# KiCad board unibone.kicad_pcb (continued)
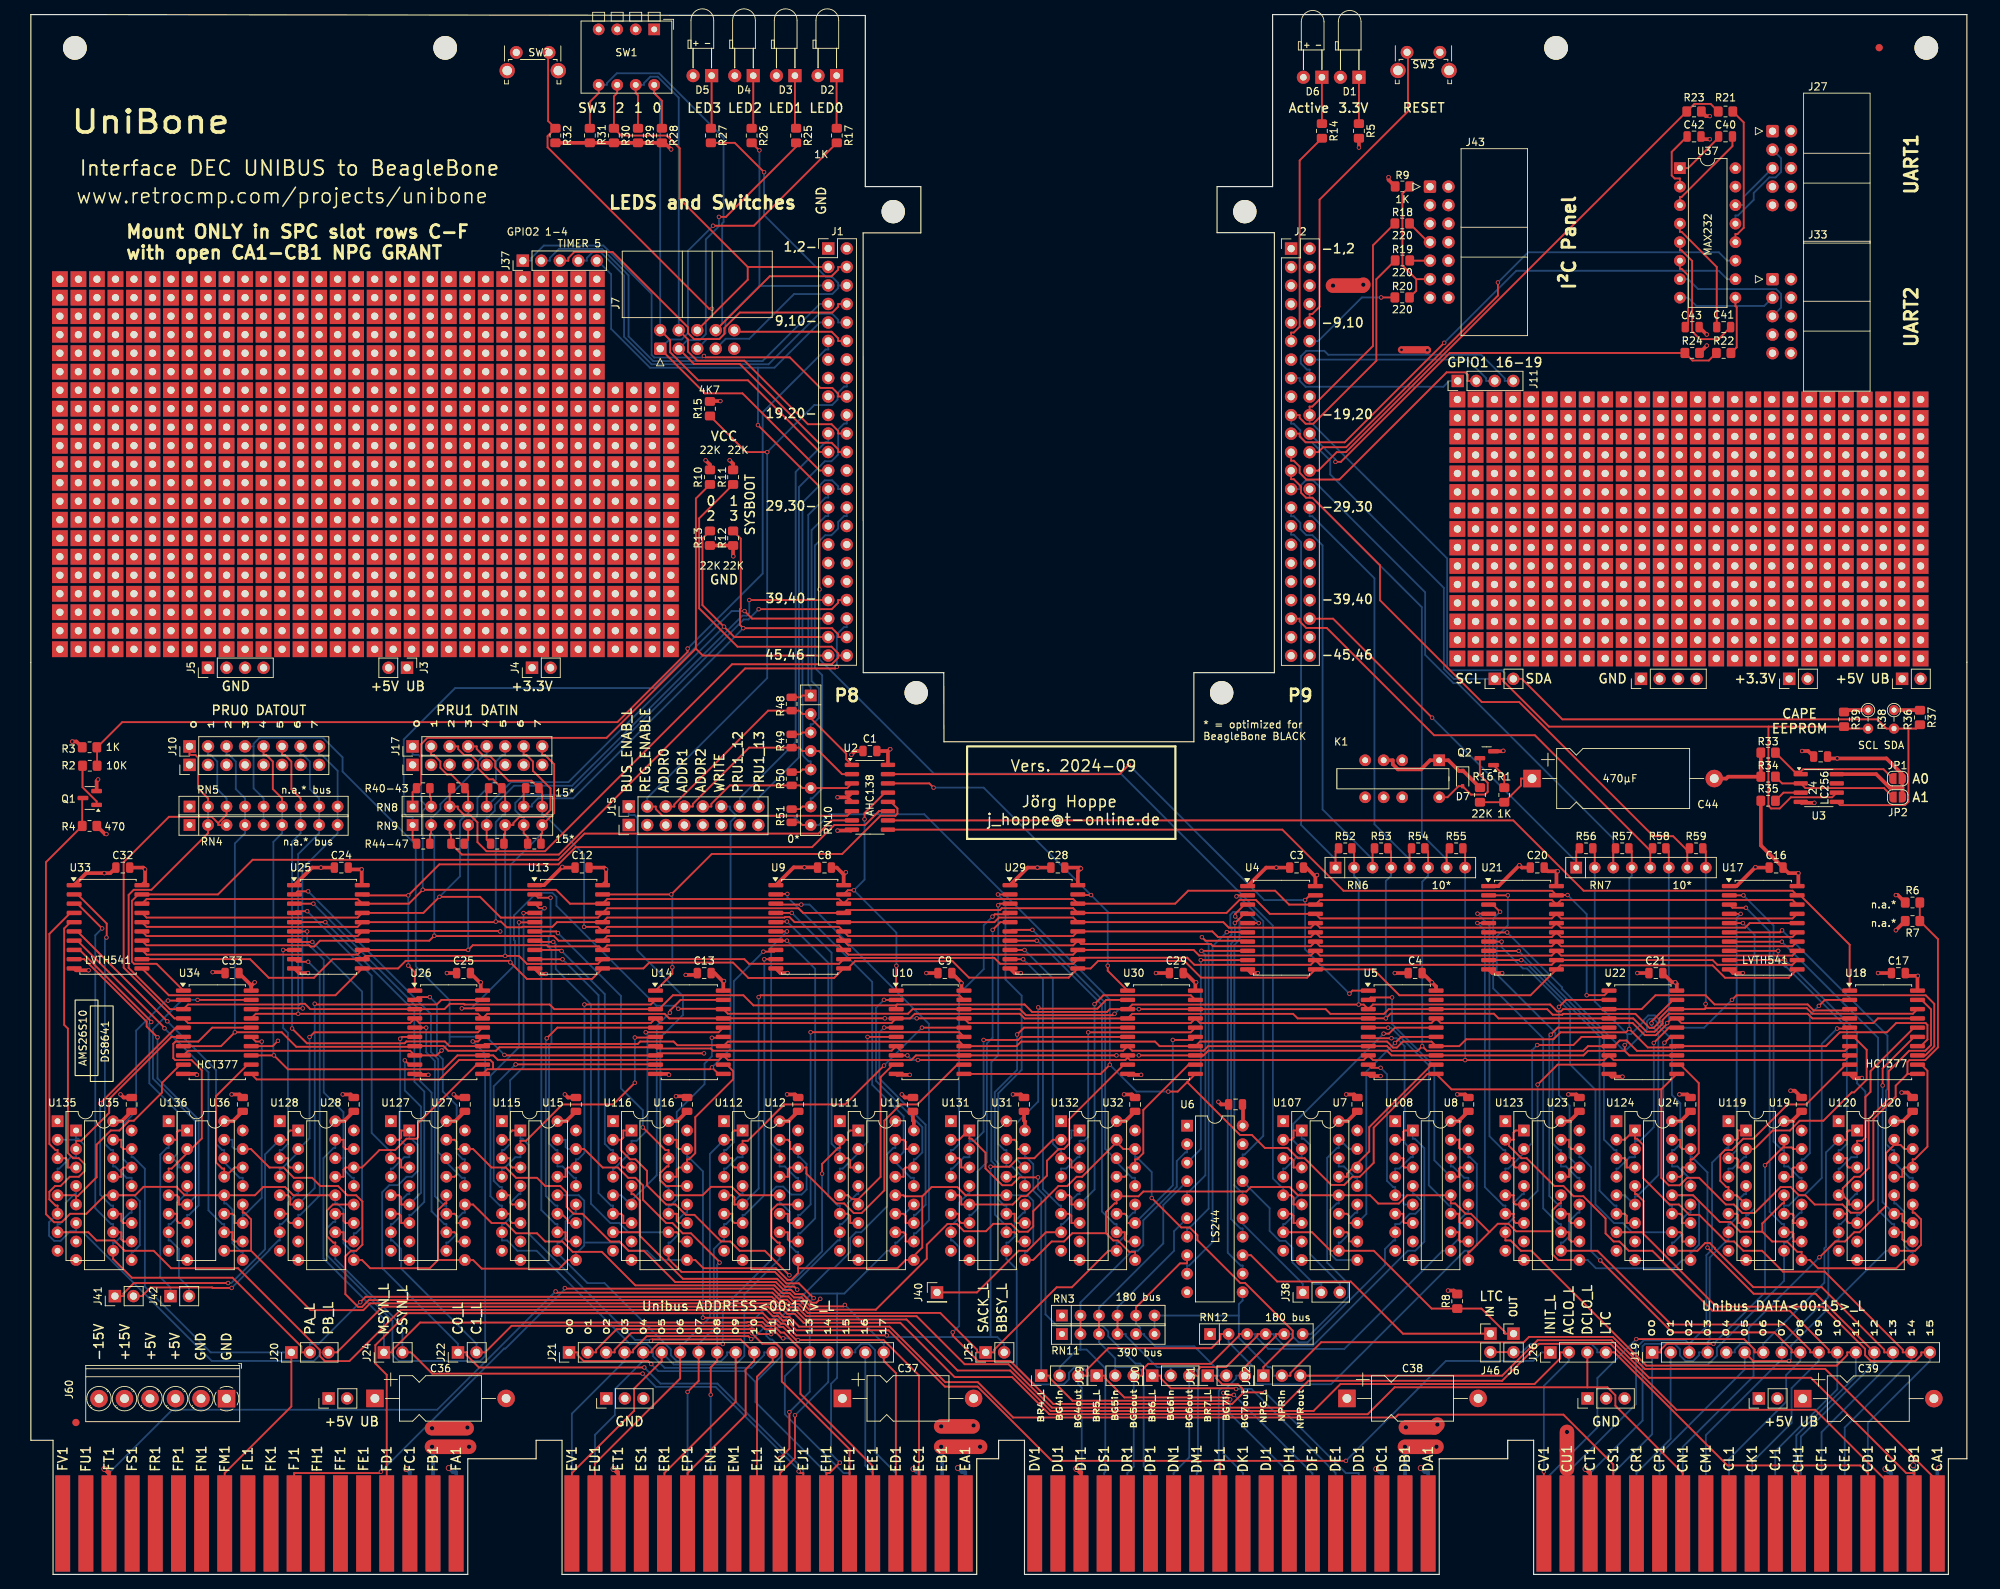
[diagram p0: board, top side]
## Placement (name value [footprint] x y rotation side) (continued)
_191105121140_262  -  [Lochraster_Square_breit]  77.65 167.64 0 top
_191105121140_263  -  [Lochraster_Square_breit]  31.93 167.64 0 top
_191105121140_264  -  [Lochraster_Square_breit]  54.79 167.64 0 top
_191105121140_265  -  [Lochraster_Square_breit]  16.69 167.64 0 top
_191105121140_266  -  [Lochraster_Square_breit]  42.09 167.64 0 top
_191105121140_267  -  [Lochraster_Square_breit]  52.25 167.64 0 top
_191105121140_268  -  [Lochraster_Square_breit]  21.77 167.64 0 top
_191105121140_269  -  [Lochraster_Square_breit]  72.57 167.64 0 top
_191105121140_270  -  [Lochraster_Square_breit]  47.17 167.64 0 top
_191105121140_272  -  [Lochraster_Square_breit]  67.49 167.64 0 top
_191105121140_273  -  [Lochraster_Square_breit]  44.63 167.64 0 top
_191105121140_275  -  [Lochraster_Square_breit]  11.61 167.64 0 top
_191105121140_276  -  [Lochraster_Square_breit]  26.85 167.64 0 top
_191105121140_277  -  [Lochraster_Square_breit]  3.99 167.64 0 top
_191105121140_279  -  [Lochraster_Square_breit]  19.23 167.64 0 top
_191105121140_281  -  [Lochraster_Square_breit]  64.95 167.64 0 top
_191105121140_282  -  [Lochraster_Square_breit]  39.55 167.64 0 top
_191105121140_283  -  [Lochraster_Square_breit]  59.87 167.64 0 top
_191105121140_284  -  [Lochraster_Square_breit]  9.07 167.64 0 top
_191105121140_285  -  [Lochraster_Square_breit]  14.15 167.64 0 top
_191105121140_286  -  [Lochraster_Square_breit]  70.03 167.64 0 top
_191105121140_287  -  [Lochraster_Square_breit]  57.33 167.64 0 top
_191105121140_288  -  [Lochraster_Square_breit]  6.53 167.64 0 top
_191105121140_289  -  [Lochraster_Square_breit]  34.47 167.64 0 top
_191105121140_291  -  [Lochraster_Square_breit]  49.71 167.64 0 top
_191105121140_292  -  [Lochraster_Square_breit]  29.39 167.64 0 top
_191105121140_293  -  [Lochraster_Square_breit]  62.41 167.64 0 top
_191105121140_294  -  [Lochraster_Square_breit]  75.11 167.64 0 top
_191105121140_295  -  [Lochraster_Square_breit]  37.01 165.1 0 top
_191105121140_296  -  [Lochraster_Square_breit]  14.15 165.1 0 top
_191105121140_297  -  [Lochraster_Square_breit]  24.31 165.1 0 top
_191105121140_298  -  [Lochraster_Square_breit]  64.95 165.1 0 top
_191105121140_299  -  [Lochraster_Square_breit]  26.85 165.1 0 top
_191105121140_300  -  [Lochraster_Square_breit]  54.79 165.1 0 top
_191105121140_301  -  [Lochraster_Square_breit]  9.07 165.1 0 top
_191105121140_302  -  [Lochraster_Square_breit]  52.25 165.1 0 top
_191105121140_304  -  [Lochraster_Square_breit]  39.55 165.1 0 top
_191105121140_305  -  [Lochraster_Square_breit]  59.87 165.1 0 top
_191105121140_306  -  [Lochraster_Square_breit]  16.69 165.1 0 top
_191105121140_307  -  [Lochraster_Square_breit]  44.63 165.1 0 top
_191105121140_308  -  [Lochraster_Square_breit]  47.17 165.1 0 top
_191105121140_309  -  [Lochraster_Square_breit]  42.09 165.1 0 top
_191105121140_310  -  [Lochraster_Square_breit]  11.61 165.1 0 top
_191105121140_311  -  [Lochraster_Square_breit]  21.77 165.1 0 top
_191105121140_312  -  [Lochraster_Square_breit]  19.23 165.1 0 top
_191105121140_314  -  [Lochraster_Square_breit]  67.49 165.1 0 top
_191105121140_316  -  [Lochraster_Square_breit]  72.57 165.1 0 top
_191105121140_317  -  [Lochraster_Square_breit]  31.93 165.1 0 top
_191105121140_318  -  [Lochraster_Square_breit]  77.65 165.1 0 top
_191105121140_319  -  [Lochraster_Square_breit]  3.99 165.1 0 top
_191105121140_321  -  [Lochraster_Square_breit]  6.53 165.1 0 top
_191105121140_322  -  [Lochraster_Square_breit]  34.47 165.1 0 top
_191105121140_324  -  [Lochraster_Square_breit]  49.71 165.1 0 top
_191105121140_325  -  [Lochraster_Square_breit]  29.39 165.1 0 top
_191105121140_326  -  [Lochraster_Square_breit]  62.41 165.1 0 top
_191105121140_327  -  [Lochraster_Square_breit]  75.11 165.1 0 top
_191105121140_328  -  [Lochraster_Square_breit]  70.03 165.1 0 top
_191105121140_329  -  [Lochraster_Square_breit]  57.33 165.1 0 top
_191105121140_330  -  [Lochraster_Square_breit]  24.31 162.56 0 top
_191105121140_331  -  [Lochraster_Square_breit]  37.01 162.56 0 top
_191105121140_332  -  [Lochraster_Square_breit]  26.85 162.56 0 top
_191105121140_333  -  [Lochraster_Square_breit]  54.79 162.56 0 top
_191105121140_334  -  [Lochraster_Square_breit]  64.95 162.56 0 top
_191105121140_335  -  [Lochraster_Square_breit]  9.07 162.56 0 top
_191105121140_336  -  [Lochraster_Square_breit]  14.15 162.56 0 top
_191105121140_337  -  [Lochraster_Square_breit]  52.25 162.56 0 top
_191105121140_339  -  [Lochraster_Square_breit]  29.39 162.56 0 top
_191105121140_340  -  [Lochraster_Square_breit]  39.55 162.56 0 top
_191105121140_341  -  [Lochraster_Square_breit]  59.87 162.56 0 top
_191105121140_342  -  [Lochraster_Square_breit]  16.69 162.56 0 top
_191105121140_343  -  [Lochraster_Square_breit]  44.63 162.56 0 top
_191105121140_344  -  [Lochraster_Square_breit]  47.17 162.56 0 top
_191105121140_345  -  [Lochraster_Square_breit]  70.03 162.56 0 top
_191105121140_346  -  [Lochraster_Square_breit]  42.09 162.56 0 top
_191105121140_347  -  [Lochraster_Square_breit]  77.65 162.56 0 top
_191105121140_348  -  [Lochraster_Square_breit]  11.61 162.56 0 top
_191105121140_349  -  [Lochraster_Square_breit]  19.23 162.56 0 top
_191105121140_350  -  [Lochraster_Square_breit]  3.99 162.56 0 top
_191105121140_351  -  [Lochraster_Square_breit]  62.41 162.56 0 top
_191105121140_352  -  [Lochraster_Square_breit]  21.77 162.56 0 top
_191105121140_353  -  [Lochraster_Square_breit]  72.57 162.56 0 top
_191105121140_354  -  [Lochraster_Square_breit]  67.49 162.56 0 top
_191105121140_356  -  [Lochraster_Square_breit]  57.33 162.56 0 top
_191105121140_358  -  [Lochraster_Square_breit]  6.53 162.56 0 top
_191105121140_359  -  [Lochraster_Square_breit]  34.47 162.56 0 top
_191105121140_361  -  [Lochraster_Square_breit]  31.93 162.56 0 top
_191105121140_362  -  [Lochraster_Square_breit]  75.11 162.56 0 top
_191105121140_363  -  [Lochraster_Square_breit]  49.71 162.56 0 top
_191105121140_365  -  [Lochraster_Square_breit]  39.55 160.02 0 top
_191105121140_366  -  [Lochraster_Square_breit]  16.69 160.02 0 top
_191105121140_367  -  [Lochraster_Square_breit]  24.31 160.02 0 top
_191105121140_369  -  [Lochraster_Square_breit]  37.01 160.02 0 top
_191105121140_370  -  [Lochraster_Square_breit]  59.87 160.02 0 top
_191105121140_371  -  [Lochraster_Square_breit]  14.15 160.02 0 top
_191105121140_372  -  [Lochraster_Square_breit]  52.25 160.02 0 top
_191105121140_373  -  [Lochraster_Square_breit]  42.09 160.02 0 top
_191105121140_374  -  [Lochraster_Square_breit]  11.61 160.02 0 top
_191105121140_375  -  [Lochraster_Square_breit]  26.85 160.02 0 top
_191105121140_376  -  [Lochraster_Square_breit]  70.03 160.02 0 top
_191105121140_377  -  [Lochraster_Square_breit]  47.17 160.02 0 top
_191105121140_378  -  [Lochraster_Square_breit]  77.65 160.02 0 top
_191105121140_379  -  [Lochraster_Square_breit]  29.39 160.02 0 top
_191105121140_380  -  [Lochraster_Square_breit]  44.63 160.02 0 top
_191105121140_381  -  [Lochraster_Square_breit]  64.95 160.02 0 top
_191105121140_382  -  [Lochraster_Square_breit]  54.79 160.02 0 top
_191105121140_383  -  [Lochraster_Square_breit]  19.23 160.02 0 top
_191105121140_384  -  [Lochraster_Square_breit]  9.07 160.02 0 top
_191105121140_385  -  [Lochraster_Square_breit]  3.99 160.02 0 top
_191105121140_386  -  [Lochraster_Square_breit]  62.41 160.02 0 top
_191105121140_387  -  [Lochraster_Square_breit]  21.77 160.02 0 top
_191105121140_388  -  [Lochraster_Square_breit]  57.33 160.02 0 top
_191105121140_389  -  [Lochraster_Square_breit]  6.53 160.02 0 top
_191105121140_390  -  [Lochraster_Square_breit]  34.47 160.02 0 top
_191105121140_391  -  [Lochraster_Square_breit]  85.27 160.02 0 top
_191105121140_392  -  [Lochraster_Square_breit]  72.57 160.02 0 top
_191105121140_393  -  [Lochraster_Square_breit]  31.93 160.02 0 top
_191105121140_394  -  [Lochraster_Square_breit]  75.11 160.02 0 top
_191105121140_395  -  [Lochraster_Square_breit]  82.73 160.02 0 top
_191105121140_396  -  [Lochraster_Square_breit]  49.71 160.02 0 top
_191105121140_397  -  [Lochraster_Square_breit]  67.49 160.02 0 top
_191105121140_398  -  [Lochraster_Square_breit]  80.19 160.02 0 top
_191105121140_399  -  [Lochraster_Square_breit]  87.81 160.02 0 top
_191105121140_400  -  [Lochraster_Square_breit]  21.77 157.48 0 top
_191105121140_401  -  [Lochraster_Square_breit]  39.55 157.48 0 top
_191105121140_402  -  [Lochraster_Square_breit]  24.31 157.48 0 top
_191105121140_403  -  [Lochraster_Square_breit]  16.69 157.48 0 top
_191105121140_404  -  [Lochraster_Square_breit]  34.47 157.48 0 top
_191105121140_405  -  [Lochraster_Square_breit]  19.23 157.48 0 top
_191105121140_407  -  [Lochraster_Square_breit]  57.33 157.48 0 top
_191105121140_408  -  [Lochraster_Square_breit]  37.01 157.48 0 top
_191105121140_409  -  [Lochraster_Square_breit]  72.57 157.48 0 top
_191105121140_410  -  [Lochraster_Square_breit]  59.87 157.48 0 top
_191105121140_411  -  [Lochraster_Square_breit]  31.93 157.48 0 top
_191105121140_412  -  [Lochraster_Square_breit]  14.15 157.48 0 top
_191105121140_413  -  [Lochraster_Square_breit]  85.27 157.48 0 top
_191105121140_414  -  [Lochraster_Square_breit]  75.11 157.48 0 top
_191105121140_415  -  [Lochraster_Square_breit]  52.25 157.48 0 top
_191105121140_416  -  [Lochraster_Square_breit]  82.73 157.48 0 top
_191105121140_417  -  [Lochraster_Square_breit]  42.09 157.48 0 top
_191105121140_418  -  [Lochraster_Square_breit]  11.61 157.48 0 top
_191105121140_419  -  [Lochraster_Square_breit]  26.85 157.48 0 top
_191105121140_420  -  [Lochraster_Square_breit]  9.07 157.48 0 top
_191105121140_421  -  [Lochraster_Square_breit]  80.19 157.48 0 top
_191105121140_422  -  [Lochraster_Square_breit]  70.03 157.48 0 top
_191105121140_423  -  [Lochraster_Square_breit]  47.17 157.48 0 top
_191105121140_424  -  [Lochraster_Square_breit]  77.65 157.48 0 top
_191105121140_425  -  [Lochraster_Square_breit]  67.49 157.48 0 top
_191105121140_426  -  [Lochraster_Square_breit]  29.39 157.48 0 top
_191105121140_427  -  [Lochraster_Square_breit]  44.63 157.48 0 top
_191105121140_428  -  [Lochraster_Square_breit]  6.53 157.48 0 top
_191105121140_429  -  [Lochraster_Square_breit]  62.41 157.48 0 top
_191105121140_430  -  [Lochraster_Square_breit]  49.71 157.48 0 top
_191105121140_431  -  [Lochraster_Square_breit]  3.99 157.48 0 top
_191105121140_432  -  [Lochraster_Square_breit]  64.95 157.48 0 top
_191105121140_433  -  [Lochraster_Square_breit]  87.81 157.48 0 top
_191105121140_434  -  [Lochraster_Square_breit]  54.79 157.48 0 top
_191105121140_435  -  [Lochraster_Square_breit]  19.23 154.94 0 top
_191105121140_437  -  [Lochraster_Square_breit]  57.33 154.94 0 top
_191105121140_438  -  [Lochraster_Square_breit]  39.55 154.94 0 top
_191105121140_439  -  [Lochraster_Square_breit]  85.27 154.94 0 top
_191105121140_440  -  [Lochraster_Square_breit]  24.31 154.94 0 top
_191105121140_441  -  [Lochraster_Square_breit]  72.57 154.94 0 top
_191105121140_442  -  [Lochraster_Square_breit]  59.87 154.94 0 top
_191105121140_443  -  [Lochraster_Square_breit]  31.93 154.94 0 top
_191105121140_444  -  [Lochraster_Square_breit]  34.47 154.94 0 top
_191105121140_445  -  [Lochraster_Square_breit]  37.01 154.94 0 top
_191105121140_446  -  [Lochraster_Square_breit]  21.77 154.94 0 top
_191105121140_447  -  [Lochraster_Square_breit]  14.15 154.94 0 top
_191105121140_448  -  [Lochraster_Square_breit]  16.69 154.94 0 top
_191105121140_449  -  [Lochraster_Square_breit]  52.25 154.94 0 top
_191105121140_450  -  [Lochraster_Square_breit]  82.73 154.94 0 top
_191105121140_451  -  [Lochraster_Square_breit]  75.11 154.94 0 top
_191105121140_452  -  [Lochraster_Square_breit]  42.09 154.94 0 top
_191105121140_453  -  [Lochraster_Square_breit]  26.85 154.94 0 top
_191105121140_454  -  [Lochraster_Square_breit]  80.19 154.94 0 top
_191105121140_455  -  [Lochraster_Square_breit]  70.03 154.94 0 top
_191105121140_456  -  [Lochraster_Square_breit]  47.17 154.94 0 top
_191105121140_457  -  [Lochraster_Square_breit]  67.49 154.94 0 top
_191105121140_458  -  [Lochraster_Square_breit]  29.39 154.94 0 top
_191105121140_459  -  [Lochraster_Square_breit]  11.61 154.94 0 top
_191105121140_460  -  [Lochraster_Square_breit]  77.65 154.94 0 top
_191105121140_461  -  [Lochraster_Square_breit]  44.63 154.94 0 top
_191105121140_462  -  [Lochraster_Square_breit]  6.53 154.94 0 top
_191105121140_463  -  [Lochraster_Square_breit]  62.41 154.94 0 top
_191105121140_464  -  [Lochraster_Square_breit]  9.07 154.94 0 top
_191105121140_465  -  [Lochraster_Square_breit]  49.71 154.94 0 top
_191105121140_466  -  [Lochraster_Square_breit]  54.79 154.94 0 top
_191105121140_467  -  [Lochraster_Square_breit]  3.99 154.94 0 top
_191105121140_468  -  [Lochraster_Square_breit]  64.95 154.94 0 top
_191105121140_469  -  [Lochraster_Square_breit]  87.81 154.94 0 top
_191105121140_470  -  [Lochraster_Square_breit]  19.23 152.4 0 top
_191105121140_471  -  [Lochraster_Square_breit]  6.53 152.4 0 top
_191105121140_472  -  [Lochraster_Square_breit]  11.61 152.4 0 top
_191105121140_474  -  [Lochraster_Square_breit]  70.03 152.4 0 top
_191105121140_475  -  [Lochraster_Square_breit]  62.41 152.4 0 top
_191105121140_476  -  [Lochraster_Square_breit]  57.33 152.4 0 top
_191105121140_477  -  [Lochraster_Square_breit]  9.07 152.4 0 top
_191105121140_478  -  [Lochraster_Square_breit]  39.55 152.4 0 top
_191105121140_479  -  [Lochraster_Square_breit]  49.71 152.4 0 top
_191105121140_480  -  [Lochraster_Square_breit]  16.69 152.4 0 top
_191105121140_481  -  [Lochraster_Square_breit]  77.65 152.4 0 top
_191105121140_482  -  [Lochraster_Square_breit]  52.25 152.4 0 top
_191105121140_483  -  [Lochraster_Square_breit]  82.73 152.4 0 top
_191105121140_484  -  [Lochraster_Square_breit]  47.17 152.4 0 top
_191105121140_485  -  [Lochraster_Square_breit]  85.27 152.4 0 top
_191105121140_486  -  [Lochraster_Square_breit]  54.79 152.4 0 top
_191105121140_487  -  [Lochraster_Square_breit]  24.31 152.4 0 top
_191105121140_488  -  [Lochraster_Square_breit]  3.99 152.4 0 top
_191105121140_489  -  [Lochraster_Square_breit]  67.49 152.4 0 top
_191105121140_490  -  [Lochraster_Square_breit]  72.57 152.4 0 top
_191105121140_491  -  [Lochraster_Square_breit]  59.87 152.4 0 top
_191105121140_492  -  [Lochraster_Square_breit]  80.19 152.4 0 top
_191105121140_493  -  [Lochraster_Square_breit]  87.81 152.4 0 top
_191105121140_494  -  [Lochraster_Square_breit]  21.77 152.4 0 top
_191105121140_495  -  [Lochraster_Square_breit]  75.11 152.4 0 top
_191105121140_496  -  [Lochraster_Square_breit]  14.15 152.4 0 top
_191105121140_497  -  [Lochraster_Square_breit]  42.09 152.4 0 top
_191105121140_498  -  [Lochraster_Square_breit]  64.95 152.4 0 top
_191105121140_499  -  [Lochraster_Square_breit]  29.39 152.4 0 top
_191105121140_500  -  [Lochraster_Square_breit]  31.93 152.4 0 top
_191105121140_501  -  [Lochraster_Square_breit]  37.01 152.4 0 top
_191105121140_502  -  [Lochraster_Square_breit]  26.85 152.4 0 top
_191105121140_503  -  [Lochraster_Square_breit]  34.47 152.4 0 top
_191105121140_504  -  [Lochraster_Square_breit]  44.63 152.4 0 top
_191105121140_505  -  [Lochraster_Square_breit]  64.95 149.86 0 top
_191105121140_506  -  [Lochraster_Square_breit]  44.63 149.86 0 top
_191105121140_507  -  [Lochraster_Square_breit]  37.01 149.86 0 top
_191105121140_508  -  [Lochraster_Square_breit]  26.85 149.86 0 top
_191105121140_509  -  [Lochraster_Square_breit]  34.47 149.86 0 top
_191105121140_510  -  [Lochraster_Square_breit]  29.39 149.86 0 top
_191105121140_511  -  [Lochraster_Square_breit]  31.93 149.86 0 top
_191105121140_512  -  [Lochraster_Square_breit]  42.09 149.86 0 top
_191105121140_513  -  [Lochraster_Square_breit]  52.25 149.86 0 top
_191105121140_514  -  [Lochraster_Square_breit]  85.27 149.86 0 top
_191105121140_515  -  [Lochraster_Square_breit]  82.73 149.86 0 top
_191105121140_516  -  [Lochraster_Square_breit]  72.57 149.86 0 top
_191105121140_517  -  [Lochraster_Square_breit]  80.19 149.86 0 top
_191105121140_518  -  [Lochraster_Square_breit]  87.81 149.86 0 top
_191105121140_519  -  [Lochraster_Square_breit]  19.23 149.86 0 top
_191105121140_520  -  [Lochraster_Square_breit]  9.07 149.86 0 top
_191105121140_521  -  [Lochraster_Square_breit]  21.77 149.86 0 top
_191105121140_522  -  [Lochraster_Square_breit]  6.53 149.86 0 top
_191105121140_523  -  [Lochraster_Square_breit]  3.99 149.86 0 top
_191105121140_525  -  [Lochraster_Square_breit]  39.55 149.86 0 top
_191105121140_526  -  [Lochraster_Square_breit]  47.17 149.86 0 top
_191105121140_527  -  [Lochraster_Square_breit]  49.71 149.86 0 top
_191105121140_528  -  [Lochraster_Square_breit]  11.61 149.86 0 top
_191105121140_529  -  [Lochraster_Square_breit]  14.15 149.86 0 top
_191105121140_530  -  [Lochraster_Square_breit]  24.31 149.86 0 top
_191105121140_531  -  [Lochraster_Square_breit]  16.69 149.86 0 top
_191105121140_532  -  [Lochraster_Square_breit]  77.65 149.86 0 top
_191105121140_533  -  [Lochraster_Square_breit]  75.11 149.86 0 top
_191105121140_534  -  [Lochraster_Square_breit]  70.03 149.86 0 top
_191105121140_535  -  [Lochraster_Square_breit]  62.41 149.86 0 top
_191105121140_536  -  [Lochraster_Square_breit]  59.87 149.86 0 top
_191105121140_537  -  [Lochraster_Square_breit]  67.49 149.86 0 top
_191105121140_538  -  [Lochraster_Square_breit]  57.33 149.86 0 top
_191105121140_539  -  [Lochraster_Square_breit]  54.79 149.86 0 top
_191105121140_540  -  [Lochraster_Square_breit]  3.99 137.16 0 top
_191105121140_541  -  [Lochraster_Square_breit]  3.99 142.24 0 top
_191105121140_542  -  [Lochraster_Square_breit]  3.99 129.54 0 top
_191105121140_543  -  [Lochraster_Square_breit]  3.99 144.78 0 top
_191105121140_544  -  [Lochraster_Square_breit]  3.99 139.7 0 top
_191105121140_545  -  [Lochraster_Square_breit]  3.99 147.32 0 top
_191105121140_546  -  [Lochraster_Square_breit]  3.99 132.08 0 top
_191105121140_547  -  [Lochraster_Square_breit]  3.99 134.62 0 top
_191105121140_548  -  [Lochraster_Square_breit]  3.99 127 0 top
_191105121140_549  -  [Lochraster_Square_breit]  6.53 127 0 top
_191105121140_550  -  [Lochraster_Square_breit]  6.53 137.16 0 top
_191105121140_551  -  [Lochraster_Square_breit]  9.07 139.7 0 top
_191105121140_552  -  [Lochraster_Square_breit]  9.07 129.54 0 top
_191105121140_553  -  [Lochraster_Square_breit]  9.07 137.16 0 top
_191105121140_554  -  [Lochraster_Square_breit]  9.07 127 0 top
_191105121140_555  -  [Lochraster_Square_breit]  9.07 144.78 0 top
_191105121140_556  -  [Lochraster_Square_breit]  9.07 142.24 0 top
_191105121140_557  -  [Lochraster_Square_breit]  9.07 134.62 0 top
_191105121140_558  -  [Lochraster_Square_breit]  9.07 132.08 0 top
_191105121140_559  -  [Lochraster_Square_breit]  6.53 147.32 0 top
_191105121140_560  -  [Lochraster_Square_breit]  6.53 132.08 0 top
_191105121140_561  -  [Lochraster_Square_breit]  6.53 139.7 0 top
_191105121140_562  -  [Lochraster_Square_breit]  6.53 142.24 0 top
_191105121140_563  -  [Lochraster_Square_breit]  6.53 129.54 0 top
_191105121140_564  -  [Lochraster_Square_breit]  6.53 134.62 0 top
_191105121140_565  -  [Lochraster_Square_breit]  9.07 147.32 0 top
_191105121140_566  -  [Lochraster_Square_breit]  6.53 144.78 0 top
_191105121140_567  -  [Lochraster_Square_breit]  19.23 132.08 0 top
_191105121140_568  -  [Lochraster_Square_breit]  11.61 127 0 top
_191105121140_569  -  [Lochraster_Square_breit]  21.77 139.7 0 top
_191105121140_570  -  [Lochraster_Square_breit]  19.23 127 0 top
_191105121140_571  -  [Lochraster_Square_breit]  21.77 129.54 0 top
_191105121140_572  -  [Lochraster_Square_breit]  21.77 142.24 0 top
_191105121140_573  -  [Lochraster_Square_breit]  19.23 142.24 0 top
_191105121140_574  -  [Lochraster_Square_breit]  19.23 139.7 0 top
_191105121140_575  -  [Lochraster_Square_breit]  21.77 132.08 0 top
_191105121140_576  -  [Lochraster_Square_breit]  21.77 137.16 0 top
_191105121140_577  -  [Lochraster_Square_breit]  19.23 129.54 0 top
_191105121140_578  -  [Lochraster_Square_breit]  21.77 127 0 top
_191105121140_579  -  [Lochraster_Square_breit]  21.77 147.32 0 top
_191105121140_580  -  [Lochraster_Square_breit]  11.61 137.16 0 top
_191105121140_581  -  [Lochraster_Square_breit]  19.23 147.32 0 top
_191105121140_582  -  [Lochraster_Square_breit]  16.69 134.62 0 top
_191105121140_583  -  [Lochraster_Square_breit]  14.15 139.7 0 top
_191105121140_584  -  [Lochraster_Square_breit]  16.69 129.54 0 top
_191105121140_585  -  [Lochraster_Square_breit]  14.15 137.16 0 top
_191105121140_586  -  [Lochraster_Square_breit]  14.15 127 0 top
_191105121140_587  -  [Lochraster_Square_breit]  24.31 129.54 0 top
_191105121140_588  -  [Lochraster_Square_breit]  24.31 134.62 0 top
_191105121140_589  -  [Lochraster_Square_breit]  24.31 137.16 0 top
_191105121140_590  -  [Lochraster_Square_breit]  24.31 142.24 0 top
_191105121140_591  -  [Lochraster_Square_breit]  24.31 147.32 0 top
_191105121140_592  -  [Lochraster_Square_breit]  24.31 127 0 top
_191105121140_593  -  [Lochraster_Square_breit]  24.31 144.78 0 top
_191105121140_594  -  [Lochraster_Square_breit]  14.15 144.78 0 top
_191105121140_595  -  [Lochraster_Square_breit]  16.69 137.16 0 top
_191105121140_596  -  [Lochraster_Square_breit]  14.15 142.24 0 top
_191105121140_597  -  [Lochraster_Square_breit]  14.15 129.54 0 top
_191105121140_598  -  [Lochraster_Square_breit]  16.69 127 0 top
_191105121140_599  -  [Lochraster_Square_breit]  16.69 142.24 0 top
_191105121140_600  -  [Lochraster_Square_breit]  16.69 132.08 0 top
_191105121140_601  -  [Lochraster_Square_breit]  14.15 132.08 0 top
_191105121140_602  -  [Lochraster_Square_breit]  24.31 139.7 0 top
_191105121140_603  -  [Lochraster_Square_breit]  14.15 134.62 0 top
_191105121140_604  -  [Lochraster_Square_breit]  24.31 132.08 0 top
_191105121140_605  -  [Lochraster_Square_breit]  16.69 147.32 0 top
_191105121140_606  -  [Lochraster_Square_breit]  11.61 147.32 0 top
_191105121140_607  -  [Lochraster_Square_breit]  14.15 147.32 0 top
_191105121140_608  -  [Lochraster_Square_breit]  11.61 142.24 0 top
_191105121140_609  -  [Lochraster_Square_breit]  11.61 134.62 0 top
_191105121140_610  -  [Lochraster_Square_breit]  11.61 144.78 0 top
_191105121140_611  -  [Lochraster_Square_breit]  19.23 137.16 0 top
_191105121140_612  -  [Lochraster_Square_breit]  21.77 134.62 0 top
_191105121140_613  -  [Lochraster_Square_breit]  11.61 132.08 0 top
_191105121140_614  -  [Lochraster_Square_breit]  16.69 144.78 0 top
_191105121140_615  -  [Lochraster_Square_breit]  19.23 144.78 0 top
_191105121140_616  -  [Lochraster_Square_breit]  19.23 134.62 0 top
_191105121140_617  -  [Lochraster_Square_breit]  21.77 144.78 0 top
_191105121140_618  -  [Lochraster_Square_breit]  11.61 139.7 0 top
_191105121140_619  -  [Lochraster_Square_breit]  16.69 139.7 0 top
_191105121140_620  -  [Lochraster_Square_breit]  11.61 129.54 0 top
_191105121140_621  -  [Lochraster_Square_breit]  49.71 134.62 0 top
_191105121140_622  -  [Lochraster_Square_breit]  49.71 142.24 0 top
_191105121140_623  -  [Lochraster_Square_breit]  49.71 144.78 0 top
_191105121140_624  -  [Lochraster_Square_breit]  49.71 132.08 0 top
_191105121140_625  -  [Lochraster_Square_breit]  49.71 129.54 0 top
_191105121140_626  -  [Lochraster_Square_breit]  49.71 139.7 0 top
_191105121140_627  -  [Lochraster_Square_breit]  49.71 137.16 0 top
_191105121140_628  -  [Lochraster_Square_breit]  49.71 127 0 top
_191105121140_629  -  [Lochraster_Square_breit]  49.71 147.32 0 top
_191105121140_630  -  [Lochraster_Square_breit]  47.17 129.54 0 top
_191105121140_631  -  [Lochraster_Square_breit]  47.17 144.78 0 top
_191105121140_632  -  [Lochraster_Square_breit]  47.17 134.62 0 top
_191105121140_633  -  [Lochraster_Square_breit]  47.17 139.7 0 top
_191105121140_634  -  [Lochraster_Square_breit]  47.17 142.24 0 top
_191105121140_635  -  [Lochraster_Square_breit]  47.17 132.08 0 top
_191105121140_636  -  [Lochraster_Square_breit]  47.17 147.32 0 top
_191105121140_637  -  [Lochraster_Square_breit]  47.17 137.16 0 top
_191105121140_638  -  [Lochraster_Square_breit]  47.17 127 0 top
_191105121140_639  -  [Lochraster_Square_breit]  31.93 129.54 0 top
_191105121140_640  -  [Lochraster_Square_breit]  29.39 139.7 0 top
_191105121140_641  -  [Lochraster_Square_breit]  31.93 134.62 0 top
_191105121140_642  -  [Lochraster_Square_breit]  29.39 137.16 0 top
_191105121140_643  -  [Lochraster_Square_breit]  29.39 127 0 top
_191105121140_644  -  [Lochraster_Square_breit]  39.55 129.54 0 top
_191105121140_645  -  [Lochraster_Square_breit]  39.55 134.62 0 top
_191105121140_646  -  [Lochraster_Square_breit]  39.55 137.16 0 top
_191105121140_647  -  [Lochraster_Square_breit]  39.55 142.24 0 top
_191105121140_648  -  [Lochraster_Square_breit]  39.55 147.32 0 top
_191105121140_649  -  [Lochraster_Square_breit]  39.55 127 0 top
_191105121140_650  -  [Lochraster_Square_breit]  39.55 132.08 0 top
_191105121140_651  -  [Lochraster_Square_breit]  39.55 144.78 0 top
_191105121140_652  -  [Lochraster_Square_breit]  42.09 129.54 0 top
_191105121140_653  -  [Lochraster_Square_breit]  42.09 139.7 0 top
_191105121140_654  -  [Lochraster_Square_breit]  29.39 144.78 0 top
_191105121140_655  -  [Lochraster_Square_breit]  31.93 137.16 0 top
_191105121140_656  -  [Lochraster_Square_breit]  29.39 142.24 0 top
_191105121140_657  -  [Lochraster_Square_breit]  42.09 137.16 0 top
_191105121140_658  -  [Lochraster_Square_breit]  29.39 134.62 0 top
_191105121140_659  -  [Lochraster_Square_breit]  31.93 147.32 0 top
_191105121140_660  -  [Lochraster_Square_breit]  42.09 142.24 0 top
_191105121140_661  -  [Lochraster_Square_breit]  42.09 147.32 0 top
_191105121140_662  -  [Lochraster_Square_breit]  42.09 132.08 0 top
_191105121140_663  -  [Lochraster_Square_breit]  31.93 132.08 0 top
_191105121140_664  -  [Lochraster_Square_breit]  29.39 132.08 0 top
_191105121140_665  -  [Lochraster_Square_breit]  39.55 139.7 0 top
_191105121140_666  -  [Lochraster_Square_breit]  42.09 144.78 0 top
_191105121140_667  -  [Lochraster_Square_breit]  29.39 129.54 0 top
_191105121140_668  -  [Lochraster_Square_breit]  42.09 127 0 top
_191105121140_669  -  [Lochraster_Square_breit]  42.09 134.62 0 top
_191105121140_670  -  [Lochraster_Square_breit]  31.93 127 0 top
_191105121140_671  -  [Lochraster_Square_breit]  31.93 142.24 0 top
_191105121140_672  -  [Lochraster_Square_breit]  34.47 144.78 0 top
_191105121140_673  -  [Lochraster_Square_breit]  31.93 139.7 0 top
_191105121140_674  -  [Lochraster_Square_breit]  26.85 129.54 0 top
_191105121140_675  -  [Lochraster_Square_breit]  26.85 144.78 0 top
_191105121140_676  -  [Lochraster_Square_breit]  34.47 137.16 0 top
_191105121140_677  -  [Lochraster_Square_breit]  37.01 134.62 0 top
_191105121140_678  -  [Lochraster_Square_breit]  34.47 134.62 0 top
_191105121140_679  -  [Lochraster_Square_breit]  26.85 134.62 0 top
_191105121140_680  -  [Lochraster_Square_breit]  26.85 139.7 0 top
_191105121140_681  -  [Lochraster_Square_breit]  26.85 132.08 0 top
_191105121140_682  -  [Lochraster_Square_breit]  31.93 144.78 0 top
_191105121140_683  -  [Lochraster_Square_breit]  37.01 144.78 0 top
_191105121140_684  -  [Lochraster_Square_breit]  29.39 147.32 0 top
_191105121140_685  -  [Lochraster_Square_breit]  26.85 142.24 0 top
_191105121140_686  -  [Lochraster_Square_breit]  26.85 147.32 0 top
_191105121140_687  -  [Lochraster_Square_breit]  37.01 139.7 0 top
_191105121140_688  -  [Lochraster_Square_breit]  37.01 142.24 0 top
_191105121140_689  -  [Lochraster_Square_breit]  34.47 142.24 0 top
_191105121140_690  -  [Lochraster_Square_breit]  37.01 129.54 0 top
_191105121140_691  -  [Lochraster_Square_breit]  34.47 139.7 0 top
_191105121140_692  -  [Lochraster_Square_breit]  34.47 127 0 top
_191105121140_693  -  [Lochraster_Square_breit]  37.01 132.08 0 top
_191105121140_694  -  [Lochraster_Square_breit]  37.01 137.16 0 top
_191105121140_695  -  [Lochraster_Square_breit]  34.47 129.54 0 top
_191105121140_696  -  [Lochraster_Square_breit]  37.01 127 0 top
_191105121140_697  -  [Lochraster_Square_breit]  26.85 137.16 0 top
_191105121140_698  -  [Lochraster_Square_breit]  37.01 147.32 0 top
_191105121140_699  -  [Lochraster_Square_breit]  34.47 147.32 0 top
_191105121140_700  -  [Lochraster_Square_breit]  44.63 134.62 0 top
_191105121140_701  -  [Lochraster_Square_breit]  44.63 137.16 0 top
_191105121140_702  -  [Lochraster_Square_breit]  44.63 129.54 0 top
_191105121140_703  -  [Lochraster_Square_breit]  44.63 147.32 0 top
_191105121140_704  -  [Lochraster_Square_breit]  34.47 132.08 0 top
_191105121140_705  -  [Lochraster_Square_breit]  26.85 127 0 top
_191105121140_706  -  [Lochraster_Square_breit]  44.63 144.78 0 top
_191105121140_707  -  [Lochraster_Square_breit]  44.63 127 0 top
_191105121140_708  -  [Lochraster_Square_breit]  44.63 132.08 0 top
_191105121140_709  -  [Lochraster_Square_breit]  44.63 142.24 0 top
_191105121140_710  -  [Lochraster_Square_breit]  44.63 139.7 0 top
_191105121140_711  -  [Lochraster_Square_breit]  64.95 129.54 0 top
_191105121140_712  -  [Lochraster_Square_breit]  64.95 134.62 0 top
_191105121140_713  -  [Lochraster_Square_breit]  64.95 137.16 0 top
_191105121140_714  -  [Lochraster_Square_breit]  64.95 142.24 0 top
_191105121140_715  -  [Lochraster_Square_breit]  64.95 147.32 0 top
_191105121140_716  -  [Lochraster_Square_breit]  64.95 127 0 top
_191105121140_717  -  [Lochraster_Square_breit]  64.95 132.08 0 top
_191105121140_718  -  [Lochraster_Square_breit]  64.95 144.78 0 top
_191105121140_719  -  [Lochraster_Square_breit]  64.95 139.7 0 top
_191105121140_720  -  [Lochraster_Square_breit]  67.49 127 0 top
_191105121140_721  -  [Lochraster_Square_breit]  67.49 132.08 0 top
_191105121140_722  -  [Lochraster_Square_breit]  67.49 129.54 0 top
_191105121140_723  -  [Lochraster_Square_breit]  67.49 137.16 0 top
_191105121140_724  -  [Lochraster_Square_breit]  67.49 147.32 0 top
_191105121140_725  -  [Lochraster_Square_breit]  67.49 144.78 0 top
_191105121140_726  -  [Lochraster_Square_breit]  67.49 134.62 0 top
_191105121140_727  -  [Lochraster_Square_breit]  67.49 139.7 0 top
_191105121140_728  -  [Lochraster_Square_breit]  67.49 142.24 0 top
_191105121140_729  -  [Lochraster_Square_breit]  54.79 134.62 0 top
_191105121140_730  -  [Lochraster_Square_breit]  54.79 142.24 0 top
_191105121140_731  -  [Lochraster_Square_breit]  54.79 144.78 0 top
_191105121140_732  -  [Lochraster_Square_breit]  54.79 132.08 0 top
_191105121140_733  -  [Lochraster_Square_breit]  57.33 147.32 0 top
_191105121140_734  -  [Lochraster_Square_breit]  57.33 137.16 0 top
_191105121140_735  -  [Lochraster_Square_breit]  54.79 129.54 0 top
_191105121140_736  -  [Lochraster_Square_breit]  57.33 132.08 0 top
_191105121140_737  -  [Lochraster_Square_breit]  57.33 129.54 0 top
_191105121140_738  -  [Lochraster_Square_breit]  54.79 139.7 0 top
_191105121140_739  -  [Lochraster_Square_breit]  57.33 134.62 0 top
_191105121140_740  -  [Lochraster_Square_breit]  54.79 137.16 0 top
_191105121140_741  -  [Lochraster_Square_breit]  54.79 127 0 top
_191105121140_742  -  [Lochraster_Square_breit]  54.79 147.32 0 top
_191105121140_743  -  [Lochraster_Square_breit]  57.33 127 0 top
_191105121140_744  -  [Lochraster_Square_breit]  57.33 144.78 0 top
_191105121140_745  -  [Lochraster_Square_breit]  57.33 139.7 0 top
_191105121140_746  -  [Lochraster_Square_breit]  57.33 142.24 0 top
_191105121140_747  -  [Lochraster_Square_breit]  52.25 129.54 0 top
_191105121140_748  -  [Lochraster_Square_breit]  52.25 144.78 0 top
_191105121140_749  -  [Lochraster_Square_breit]  52.25 134.62 0 top
_191105121140_750  -  [Lochraster_Square_breit]  52.25 139.7 0 top
_191105121140_751  -  [Lochraster_Square_breit]  52.25 142.24 0 top
_191105121140_752  -  [Lochraster_Square_breit]  52.25 132.08 0 top
_191105121140_753  -  [Lochraster_Square_breit]  52.25 147.32 0 top
_191105121140_754  -  [Lochraster_Square_breit]  59.87 134.62 0 top
_191105121140_755  -  [Lochraster_Square_breit]  59.87 137.16 0 top
_191105121140_756  -  [Lochraster_Square_breit]  59.87 144.78 0 top
_191105121140_757  -  [Lochraster_Square_breit]  62.41 144.78 0 top
_191105121140_758  -  [Lochraster_Square_breit]  62.41 134.62 0 top
_191105121140_759  -  [Lochraster_Square_breit]  62.41 139.7 0 top
_191105121140_760  -  [Lochraster_Square_breit]  62.41 142.24 0 top
_191105121140_761  -  [Lochraster_Square_breit]  59.87 142.24 0 top
_191105121140_762  -  [Lochraster_Square_breit]  62.41 129.54 0 top
_191105121140_763  -  [Lochraster_Square_breit]  59.87 139.7 0 top
_191105121140_764  -  [Lochraster_Square_breit]  59.87 127 0 top
_191105121140_765  -  [Lochraster_Square_breit]  59.87 132.08 0 top
